# KiCad board rabbit_mask_video_edit.kicad_pcb (continued)
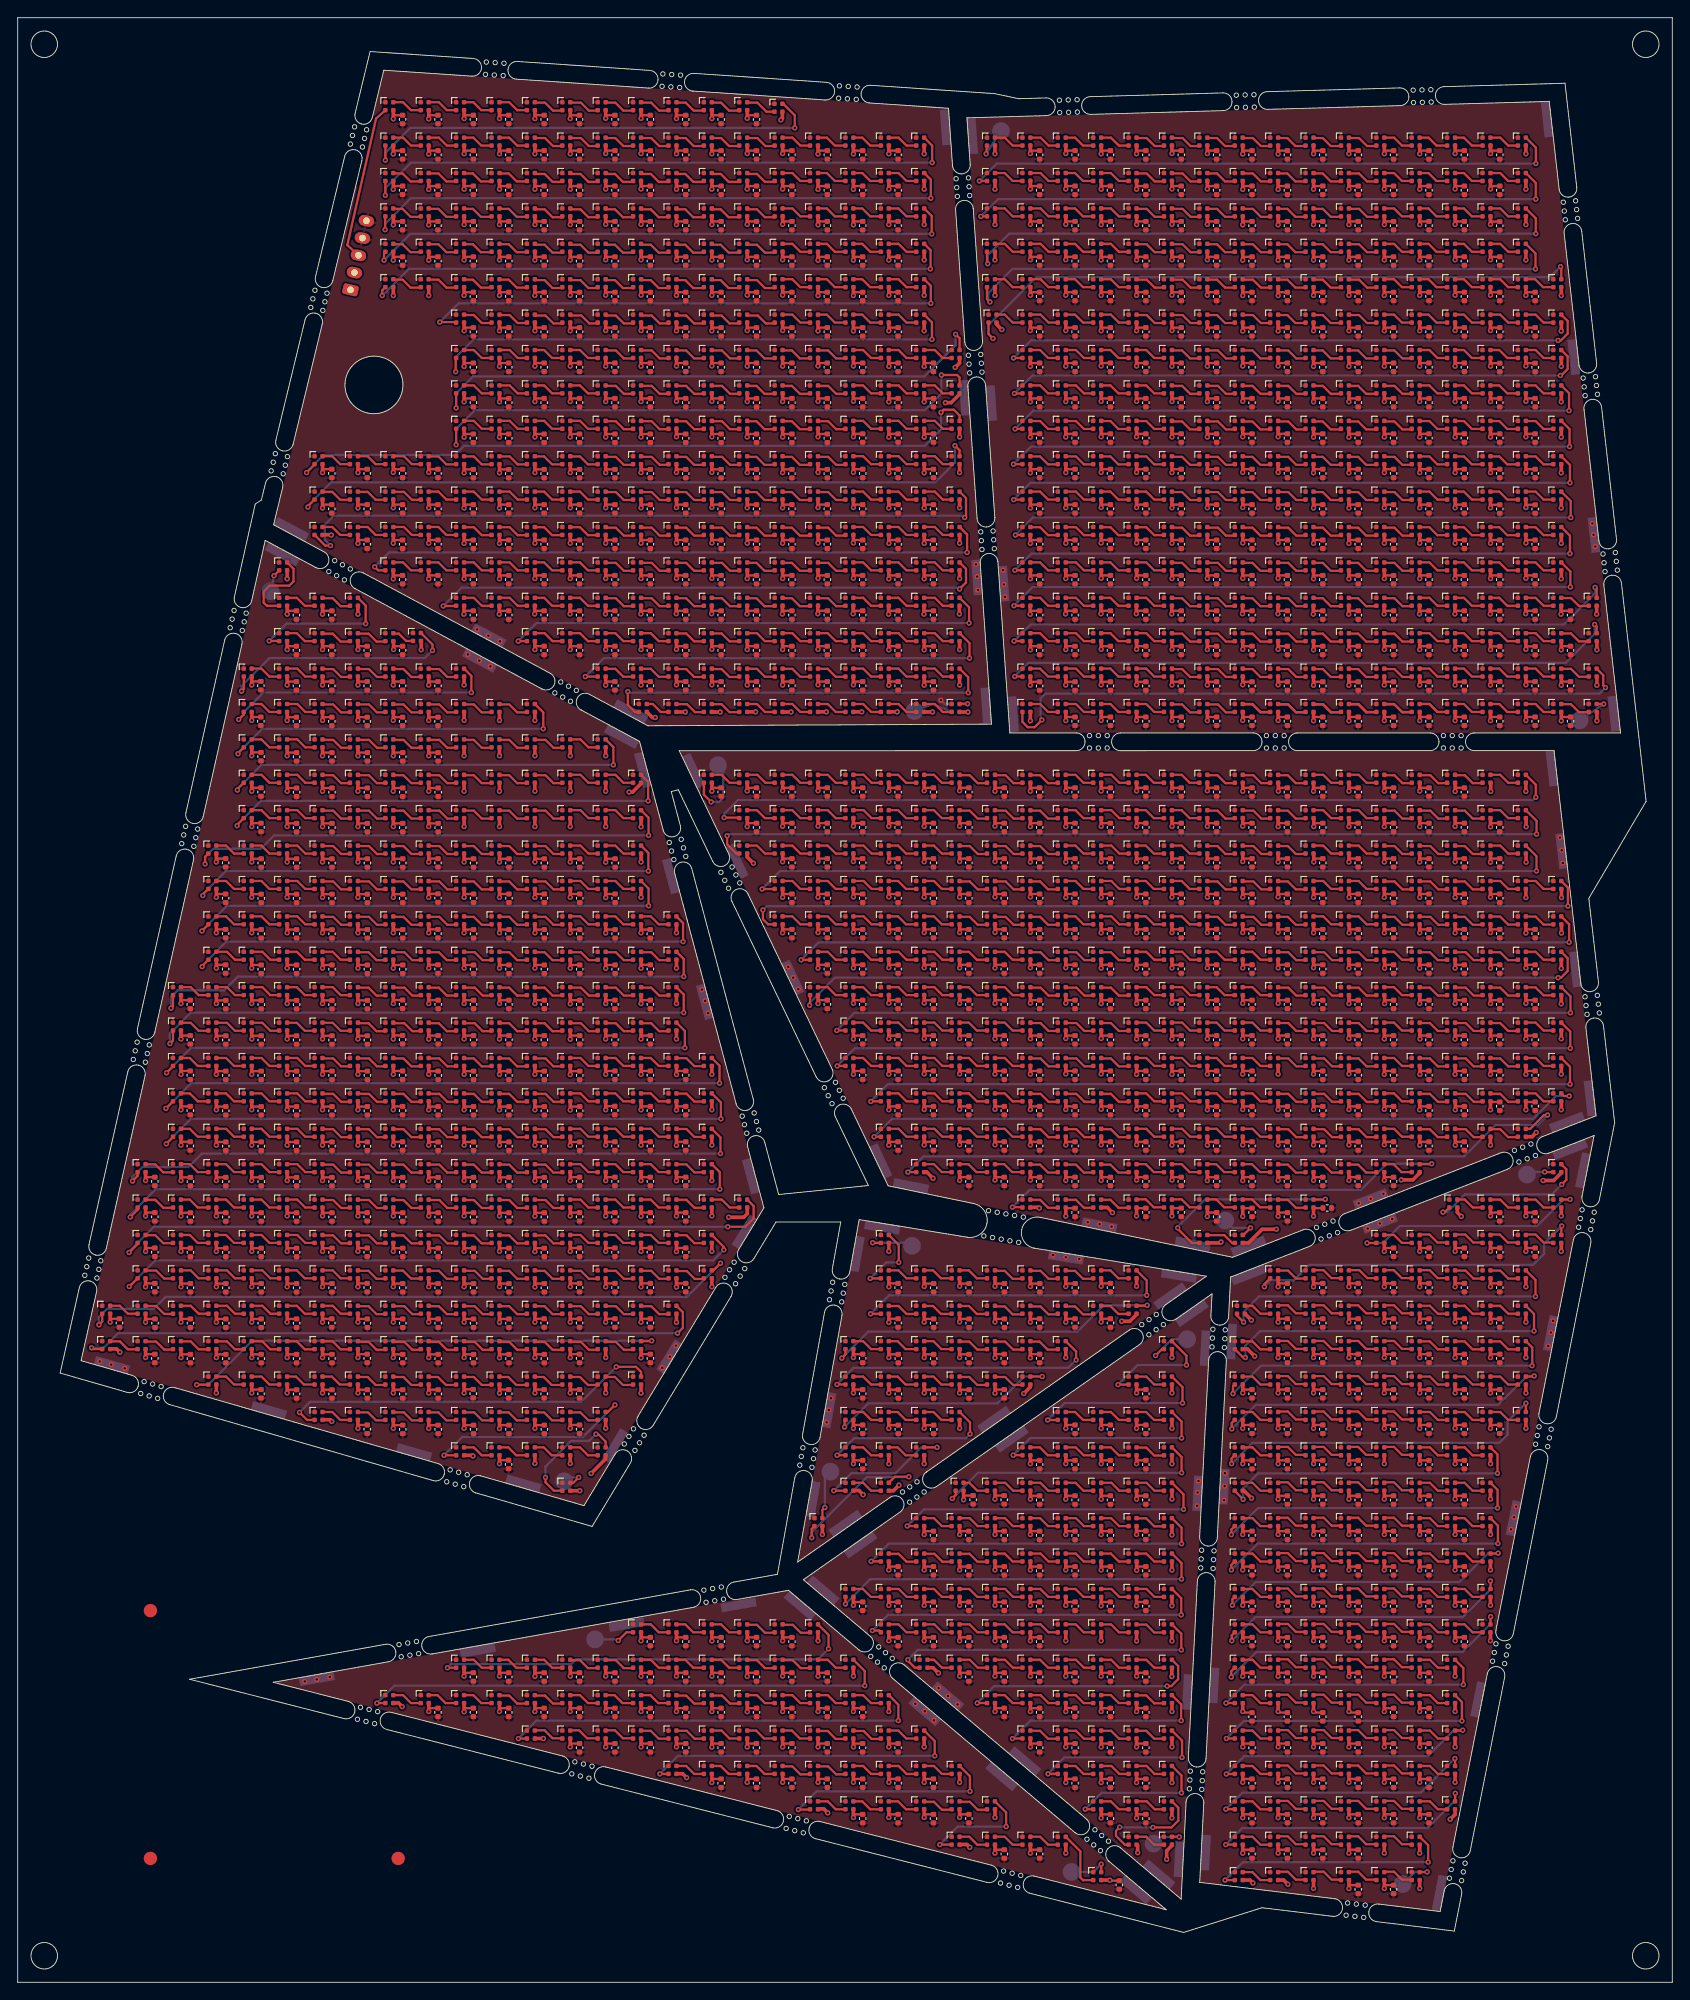
[diagram p0: board, top side]
## Placement (name value [footprint] x y rotation side) (continued)
C1485#305  0.1uF  [C_0402_1005Metric]  123.5 130.5 270 top
C1485#306  0.1uF  [C_0402_1005Metric]  135.5 170.5 270 top
C1485#307  0.1uF  [C_0402_1005Metric]  83.5 30.5 270 top
C1485#308  0.1uF  [C_0402_1005Metric]  111.52 78.48 270 top
C1485#309  0.1uF  [C_0402_1005Metric]  95.5 106.5 270 top
C1485#310  0.1uF  [C_0402_1005Metric]  59.52 90.48 270 top
C1485#311  0.1uF  [C_0402_1005Metric]  119.5 158.5 270 top
C1485#312  0.1uF  [C_0402_1005Metric]  67.5 90.5 270 top
C1485#313  0.1uF  [C_0402_1005Metric]  135.5 102.5 270 top
C1485#314  0.1uF  [C_0402_1005Metric]  19.5 94.5 270 top
C1485#315  0.1uF  [C_0402_1005Metric]  139.5 178.5 270 top
C1485#316  0.1uF  [C_0402_1005Metric]  43.5 194.5 270 top
C1485#317  0.1uF  [C_0402_1005Metric]  103.5 174.5 270 top
C1485#318  0.1uF  [C_0402_1005Metric]  103.5 166.5 270 top
C1485#319  0.1uF  [C_0402_1005Metric]  147.5 194.5 270 top
C1485#320  0.1uF  [C_0402_1005Metric]  75.5 166.5 270 top
C1485#321  0.1uF  [C_0402_1005Metric]  163.5 94.5 270 top
C1485#322  0.1uF  [C_0402_1005Metric]  67.5 182.5 270 top
C1485#323  0.1uF  [C_0402_1005Metric]  155.5 50.5 270 top
C1485#324  0.1uF  [C_0402_1005Metric]  47.5 202.5 270 top
C1485#325  0.1uF  [C_0402_1005Metric]  139.5 182.5 270 top
C1485#326  0.1uF  [C_0402_1005Metric]  143.5 122.5 270 top
C1485#327  0.1uF  [C_0402_1005Metric]  135.5 110.5 270 top
C1485#328  0.1uF  [C_0402_1005Metric]  59.52 114.48 270 top
C1485#329  0.1uF  [C_0402_1005Metric]  171.5 162.5 270 top
C1485#330  0.1uF  [C_0402_1005Metric]  79.5 38.5 270 top
C1485#331  0.1uF  [C_0402_1005Metric]  151.5 50.5 270 top
C1485#332  0.1uF  [C_0402_1005Metric]  155.5 26.5 270 top
C1485#333  0.1uF  [C_0402_1005Metric]  67.5 110.5 270 top
C1485#334  0.1uF  [C_0402_1005Metric]  79.5 186.5 270 top
C1485#335  0.1uF  [C_0402_1005Metric]  147.5 202.5 270 top
C1485#336  0.1uF  [C_0402_1005Metric]  63.5 170.48 270 top
C1485#337  0.1uF  [C_0402_1005Metric]  43.52 86.48 270 top
C1485#338  0.1uF  [C_0402_1005Metric]  123.5 106.5 270 top
C1485#339  0.1uF  [C_0402_1005Metric]  135.5 118.52 270 top
C1485#340  0.1uF  [C_0402_1005Metric]  59.52 102.48 270 top
C1485#341  0.1uF  [C_0402_1005Metric]  159.5 166.5 270 top
C1485#342  0.1uF  [C_0402_1005Metric]  167.5 74.5 270 top
C1485#343  0.1uF  [C_0402_1005Metric]  151.5 114.5 270 top
C1485#344  0.1uF  [C_0402_1005Metric]  143.5 38.5 270 top
C1485#345  0.1uF  [C_0402_1005Metric]  135.5 130.5 270 top
C1485#346  0.1uF  [C_0402_1005Metric]  147.5 166.5 270 top
C1485#347  0.1uF  [C_0402_1005Metric]  51.52 82.48 270 top
C1485#348  0.1uF  [C_0402_1005Metric]  151.5 170.5 270 top
C1485#349  0.1uF  [C_0402_1005Metric]  151.5 190.5 270 top
C1485#350  0.1uF  [C_0402_1005Metric]  95.5 162.5 270 top
C1485#351  0.1uF  [C_0402_1005Metric]  115.5 194.5 270 top
C1485#352  0.1uF  [C_0402_1005Metric]  143.5 174.5 270 top
C1485#353  0.1uF  [C_0402_1005Metric]  131.5 90.5 270 top
C1485#354  0.1uF  [C_0402_1005Metric]  147.5 90.5 270 top
C1485#355  0.1uF  [C_0402_1005Metric]  131.5 126.5 270 top
C1485#356  0.1uF  [C_0402_1005Metric]  139.5 122.5 270 top
C1485#357  0.1uF  [C_0402_1005Metric]  39.5 78.5 270 top
C1485#358  0.1uF  [C_0402_1005Metric]  127.5 106.5 270 top
C1485#359  0.1uF  [C_0402_1005Metric]  63.52 98.48 270 top
C1485#360  0.1uF  [C_0402_1005Metric]  147.5 98.5 270 top
C1485#361  0.1uF  [C_0402_1005Metric]  115.5 90.5 270 top
C1485#362  0.1uF  [C_0402_1005Metric]  15.5 70.5 270 top
C1485#363  0.1uF  [C_0402_1005Metric]  71.5 38.5 270 top
C1485#364  0.1uF  [C_0402_1005Metric]  143.5 178.5 270 top
C1485#365  0.1uF  [C_0402_1005Metric]  63.5 158.5 270 top
C1485#366  0.1uF  [C_0402_1005Metric]  151.5 102.5 270 top
C1485#367  0.1uF  [C_0402_1005Metric]  163.5 170.5 270 top
C1485#368  0.1uF  [C_0402_1005Metric]  159.5 102.5 270 top
C1485#369  0.1uF  [C_0402_1005Metric]  111.5 122.5 270 top
C1485#370  0.1uF  [C_0402_1005Metric]  87.5 146.5 270 top
C1485#371  0.1uF  [C_0402_1005Metric]  127.5 182.5 270 top
C1485#372  0.1uF  [C_0402_1005Metric]  159.5 150.5 270 top
C1485#373  0.1uF  [C_0402_1005Metric]  71.5 182.5 270 top
C1485#374  0.1uF  [C_0402_1005Metric]  139.5 98.5 270 top
C1485#375  0.1uF  [C_0402_1005Metric]  23.52 106.48 270 top
C1485#376  0.1uF  [C_0402_1005Metric]  115.5 190.5 270 top
C1485#377  0.1uF  [C_0402_1005Metric]  127.5 26.5 270 top
C1485#378  0.1uF  [C_0402_1005Metric]  155.5 146.48 270 top
C1485#379  0.1uF  [C_0402_1005Metric]  171.5 170.5 270 top
C1485#380  0.1uF  [C_0402_1005Metric]  171.5 174.5 270 top
C1485#381  0.1uF  [C_0402_1005Metric]  79.5 146.5 270 top
C1485#382  0.1uF  [C_0402_1005Metric]  31.5 146.5 270 top
C1485#383  0.1uF  [C_0402_1005Metric]  55.5 166.5 270 top
C1485#384  0.1uF  [C_0402_1005Metric]  159.5 106.5 270 top
C1485#385  0.1uF  [C_0402_1005Metric]  75.5 94.5 270 top
C1485#386  0.1uF  [C_0402_1005Metric]  155.5 162.5 270 top
C1485#387  0.1uF  [C_0402_1005Metric]  131.5 130.5 270 top
C1485#388  0.1uF  [C_0402_1005Metric]  131.5 198.5 270 top
C1485#389  0.1uF  [C_0402_1005Metric]  91.5 126.5 270 top
C1485#390  0.1uF  [C_0402_1005Metric]  39.52 74.48 270 top
C1485#391  0.1uF  [C_0402_1005Metric]  63.52 102.48 270 top
C1485#392  0.1uF  [C_0402_1005Metric]  119.5 162.5 270 top
C1485#393  0.1uF  [C_0402_1005Metric]  71.5 186.5 270 top
C1485#394  0.1uF  [C_0402_1005Metric]  127.5 42.5 270 top
C1485#395  0.1uF  [C_0402_1005Metric]  83.5 146.5 270 top
C1485#396  0.1uF  [C_0402_1005Metric]  91.5 190.5 270 top
C1485#397  0.1uF  [C_0402_1005Metric]  63.5 82.5 270 top
C1485#398  0.1uF  [C_0402_1005Metric]  151.5 62.5 270 top
C1485#399  0.1uF  [C_0402_1005Metric]  27.52 78.48 270 top
C1485#400  0.1uF  [C_0402_1005Metric]  115.5 42.5 270 top
C1485#401  0.1uF  [C_0402_1005Metric]  35.52 130.48 270 top
C1485#402  0.1uF  [C_0402_1005Metric]  47.52 106.5 270 top
C1485#403  0.1uF  [C_0402_1005Metric]  127.5 66.5 270 top
C1485#404  0.1uF  [C_0402_1005Metric]  63.5 186.5 270 top
C1485#405  0.1uF  [C_0402_1005Metric]  47.52 78.48 270 top
C1485#406  0.1uF  [C_0402_1005Metric]  123.5 206.5 270 top
C1485#407  0.1uF  [C_0402_1005Metric]  119.5 166.5 270 top
C1485#408  0.1uF  [C_0402_1005Metric]  147.5 146.48 270 top
C1485#409  0.1uF  [C_0402_1005Metric]  115.5 158.5 270 top
C1485#410  0.1uF  [C_0402_1005Metric]  163.5 42.5 270 top
C1485#411  0.1uF  [C_0402_1005Metric]  119.5 50.5 270 top
C1485#412  0.1uF  [C_0402_1005Metric]  115.5 118.5 270 top
C1485#413  0.1uF  [C_0402_1005Metric]  107.5 110.5 270 top
C1485#414  0.1uF  [C_0402_1005Metric]  47.52 74.48 270 top
C1485#415  0.1uF  [C_0402_1005Metric]  151.5 54.5 270 top
C1485#416  0.1uF  [C_0402_1005Metric]  79.5 134.5 270 top
C1485#417  0.1uF  [C_0402_1005Metric]  91.5 154.5 270 top
C1485#418  0.1uF  [C_0402_1005Metric]  27.52 102.48 270 top
C1485#419  0.1uF  [C_0402_1005Metric]  99.5 194.5 270 top
C1485#420  0.1uF  [C_0402_1005Metric]  55.52 78.48 270 top
C1485#421  0.1uF  [C_0402_1005Metric]  67.5 30.5 270 top
C1485#422  0.1uF  [C_0402_1005Metric]  151.5 18.5 270 top
C1485#423  0.1uF  [C_0402_1005Metric]  159.5 142.5 270 top
C1485#424  0.1uF  [C_0402_1005Metric]  95.5 42.5 270 top
C1485#425  0.1uF  [C_0402_1005Metric]  75.5 98.5 270 top
C1485#426  0.1uF  [C_0402_1005Metric]  79.5 154.5 270 top
C1485#427  0.1uF  [C_0402_1005Metric]  43.52 118.48 270 top
C1485#428  0.1uF  [C_0402_1005Metric]  124.5 11 270 top
C1485#429  0.1uF  [C_0402_1005Metric]  119.5 174.5 270 top
C1485#430  0.1uF  [C_0402_1005Metric]  163.5 46.5 270 top
C1485#431  0.1uF  [C_0402_1005Metric]  99.5 198.5 270 top
C1485#432  0.1uF  [C_0402_1005Metric]  163.5 58.5 270 top
C1485#433  0.1uF  [C_0402_1005Metric]  139.5 58.5 270 top
C1485#434  0.1uF  [C_0402_1005Metric]  159.5 118.5 270 top
C1485#435  0.1uF  [C_0402_1005Metric]  171.5 99 270 top
C1485#436  0.1uF  [C_0402_1005Metric]  99.5 170.5 270 top
C1485#437  0.1uF  [C_0402_1005Metric]  139.5 106.5 270 top
C1485#438  0.1uF  [C_0402_1005Metric]  159.5 26.5 270 top
C1485#439  0.1uF  [C_0402_1005Metric]  111.52 74.48 270 top
C1485#440  0.1uF  [C_0402_1005Metric]  123.5 98.5 270 top
C1485#441  0.1uF  [C_0402_1005Metric]  127.5 154.5 270 top
C1485#442  0.1uF  [C_0402_1005Metric]  39.52 102.48 270 top
C1485#443  0.1uF  [C_0402_1005Metric]  107.5 122.5 270 top
C1485#444  0.1uF  [C_0402_1005Metric]  99.5 102.5 270 top
C1485#445  0.1uF  [C_0402_1005Metric]  143.5 166.5 270 top
C1485#446  0.1uF  [C_0402_1005Metric]  75.5 194.5 270 top
C1485#447  0.1uF  [C_0402_1005Metric]  143.5 202.5 270 top
C1485#448  0.1uF  [C_0402_1005Metric]  139.5 66.5 270 top
C1485#449  0.1uF  [C_0402_1005Metric]  71.5 82.5 270 top
C1485#450  0.1uF  [C_0402_1005Metric]  127.5 90.5 270 top
C1485#451  0.1uF  [C_0402_1005Metric]  79.5 34.5 270 top
C1485#452  0.1uF  [C_0402_1005Metric]  159.5 158.5 270 top
C1485#453  0.1uF  [C_0402_1005Metric]  123.5 146.48 270 top
C1485#454  0.1uF  [C_0402_1005Metric]  131.5 170.5 270 top
C1485#455  0.1uF  [C_0402_1005Metric]  115.5 198.5 270 top
C1485#456  0.1uF  [C_0402_1005Metric]  67.5 190.5 270 top
C1485#457  0.1uF  [C_0402_1005Metric]  151.5 42.5 270 top
C1485#458  0.1uF  [C_0402_1005Metric]  99.5 178.5 270 top
C1485#459  0.1uF  [C_0402_1005Metric]  95.5 122.5 270 top
C1485#460  0.1uF  [C_0402_1005Metric]  67.48 98.52 270 top
C1485#461  0.1uF  [C_0402_1005Metric]  59.52 126.48 270 top
C1485#462  0.1uF  [C_0402_1005Metric]  159.5 126.5 270 top
C1485#463  0.1uF  [C_0402_1005Metric]  159.5 34.5 270 top
C1485#464  0.1uF  [C_0402_1005Metric]  123.5 94.5 270 top
C1485#465  0.1uF  [C_0402_1005Metric]  31.52 86.48 270 top
C1485#466  0.1uF  [C_0402_1005Metric]  167.5 158.5 270 top
C1485#467  0.1uF  [C_0402_1005Metric]  119.5 206.5 270 top
C1485#468  0.1uF  [C_0402_1005Metric]  119.5 34.5 270 top
C1485#469  0.1uF  [C_0402_1005Metric]  147.5 190.5 270 top
C1485#470  0.1uF  [C_0402_1005Metric]  151.5 46.5 270 top
C1485#471  0.1uF  [C_0402_1005Metric]  47.52 90.48 270 top
C1485#472  0.1uF  [C_0402_1005Metric]  83.5 162.5 270 top
C1485#473  0.1uF  [C_0402_1005Metric]  123.5 62.5 270 top
C1485#474  0.1uF  [C_0402_1005Metric]  151.5 178.5 270 top
C1485#475  0.1uF  [C_0402_1005Metric]  95.5 30.5 270 top
C1485#476  0.1uF  [C_0402_1005Metric]  51.52 126.48 270 top
C1485#477  0.1uF  [C_0402_1005Metric]  59.52 62.48 270 top
C1485#478  0.1uF  [C_0402_1005Metric]  43.5 110.52 270 top
C1485#479  0.1uF  [C_0402_1005Metric]  75.5 34.5 270 top
C1485#480  0.1uF  [C_0402_1005Metric]  131.5 87 270 top
C1485#481  0.1uF  [C_0402_1005Metric]  155.5 78.5 270 top
C1485#482  0.1uF  [C_0402_1005Metric]  99.5 158.5 270 top
C1485#483  0.1uF  [C_0402_1005Metric]  43.52 90.48 270 top
C1485#484  0.1uF  [C_0402_1005Metric]  123.5 34.5 270 top
C1485#485  0.1uF  [C_0402_1005Metric]  171.5 118.5 270 top
C1485#486  0.1uF  [C_0402_1005Metric]  95.5 66.5 270 top
C1485#487  0.1uF  [C_0402_1005Metric]  131.5 114.5 270 top
C1485#488  0.1uF  [C_0402_1005Metric]  143.5 54.5 270 top
C1485#489  0.1uF  [C_0402_1005Metric]  87.5 170.48 270 top
C1485#490  0.1uF  [C_0402_1005Metric]  111.5 14.5 270 top
C1485#491  0.1uF  [C_0402_1005Metric]  163.5 106.5 270 top
C1485#492  0.1uF  [C_0402_1005Metric]  55.5 186.5 270 top
C1485#493  0.1uF  [C_0402_1005Metric]  103.5 114.5 270 top
C1485#494  0.1uF  [C_0402_1005Metric]  59.5 170.48 270 top
C1485#495  0.1uF  [C_0402_1005Metric]  63.5 178.5 270 top
C1485#496  0.1uF  [C_0402_1005Metric]  111.5 46.5 270 top
C1485#497  0.1uF  [C_0402_1005Metric]  151.5 186.5 270 top
C1485#498  0.1uF  [C_0402_1005Metric]  51.48 66.52 270 top
C1485#499  0.1uF  [C_0402_1005Metric]  55.5 34.5 270 top
C1485#500  0.1uF  [C_0402_1005Metric]  51.5 178.5 270 top
C1485#501  0.1uF  [C_0402_1005Metric]  107.52 70.48 270 top
C1485#502  0.1uF  [C_0402_1005Metric]  147.5 134.5 270 top
C1485#503  0.1uF  [C_0402_1005Metric]  55.5 182.5 270 top
C1485#504  0.1uF  [C_0402_1005Metric]  55.52 94.48 270 top
C1485#505  0.1uF  [C_0402_1005Metric]  75.5 162.5 270 top
C1485#506  0.1uF  [C_0402_1005Metric]  35.52 126.48 270 top
C1485#507  0.1uF  [C_0402_1005Metric]  35.52 122.48 270 top
C1485#508  0.1uF  [C_0402_1005Metric]  151.5 110.5 270 top
C1485#509  0.1uF  [C_0402_1005Metric]  131.5 186.5 270 top
C1485#510  0.1uF  [C_0402_1005Metric]  63.52 122.5 270 top
C1485#511  0.1uF  [C_0402_1005Metric]  47.5 146.5 270 top
C1485#512  0.1uF  [C_0402_1005Metric]  147.5 38.5 270 top
C1485#513  0.1uF  [C_0402_1005Metric]  23.52 86.48 270 top
C1485#514  0.1uF  [C_0402_1005Metric]  43.5 150.5 270 top
C1485#515  0.1uF  [C_0402_1005Metric]  83.5 150.5 270 top
C1485#516  0.1uF  [C_0402_1005Metric]  159.5 206.5 270 top
C1485#517  0.1uF  [C_0402_1005Metric]  27.52 118.48 270 top
C1485#518  0.1uF  [C_0402_1005Metric]  51.52 90.48 270 top
C1485#519  0.1uF  [C_0402_1005Metric]  83.5 194.5 270 top
C1485#520  0.1uF  [C_0402_1005Metric]  163.5 110.5 270 top
C1485#521  0.1uF  [C_0402_1005Metric]  119.5 130.5 270 top
C1485#522  0.1uF  [C_0402_1005Metric]  107.5 134.5 270 top
C1485#523  0.1uF  [C_0402_1005Metric]  139.5 162.5 270 top
C1485#524  0.1uF  [C_0402_1005Metric]  135.5 158.5 270 top
C1485#525  0.1uF  [C_0402_1005Metric]  71.5 154.5 270 top
C1485#526  0.1uF  [C_0402_1005Metric]  127.5 142.5 270 top
C1485#527  0.1uF  [C_0402_1005Metric]  55.5 30.5 270 top
C1485#528  0.1uF  [C_0402_1005Metric]  171.5 142.5 270 top
C1485#529  0.1uF  [C_0402_1005Metric]  119.5 146.48 270 top
C1485#530  0.1uF  [C_0402_1005Metric]  71.5 158.5 270 top
C1485#531  0.1uF  [C_0402_1005Metric]  95.5 110.5 270 top
C1485#532  0.1uF  [C_0402_1005Metric]  99.5 190.5 270 top
C1485#533  0.1uF  [C_0402_1005Metric]  75.5 102.5 270 top
C1485#534  0.1uF  [C_0402_1005Metric]  19.5 98.5 270 top
C1485#535  0.1uF  [C_0402_1005Metric]  163.5 174.5 270 top
C1485#536  0.1uF  [C_0402_1005Metric]  119.5 194.5 270 top
C1485#537  0.1uF  [C_0402_1005Metric]  139.5 114.5 270 top
C1485#538  0.1uF  [C_0402_1005Metric]  51.52 74.48 270 top
C1485#539  0.1uF  [C_0402_1005Metric]  123.5 202.5 270 top
C1485#540  0.1uF  [C_0402_1005Metric]  119.5 62.5 270 top
C1485#541  0.1uF  [C_0402_1005Metric]  147.5 62.5 270 top
C1485#542  0.1uF  [C_0402_1005Metric]  83.49 26.5 270 top
C1485#543  0.1uF  [C_0402_1005Metric]  151.5 154.5 270 top
C1485#544  0.1uF  [C_0402_1005Metric]  167.5 102.5 270 top
C1485#545  0.1uF  [C_0402_1005Metric]  71.5 30.5 270 top
C1485#546  0.1uF  [C_0402_1005Metric]  163.5 118.5 270 top
C1485#547  0.1uF  [C_0402_1005Metric]  71.5 162.5 270 top
C1485#548  0.1uF  [C_0402_1005Metric]  87.5 202.5 270 top
C1485#549  0.1uF  [C_0402_1005Metric]  87.5 26.5 270 top
C1485#550  0.1uF  [C_0402_1005Metric]  159.5 98.5 270 top
C1485#551  0.1uF  [C_0402_1005Metric]  91.5 162.5 270 top
C1485#552  0.1uF  [C_0402_1005Metric]  55.5 178.5 270 top
C1485#553  0.1uF  [C_0402_1005Metric]  131.5 190.5 270 top
C1485#554  0.1uF  [C_0402_1005Metric]  99.52 62.48 270 top
C1485#555  0.1uF  [C_0402_1005Metric]  67.52 118.48 270 top
C1485#556  0.1uF  [C_0402_1005Metric]  111.5 110.5 270 top
C1485#557  0.1uF  [C_0402_1005Metric]  111.5 50.5 270 top
C1485#558  0.1uF  [C_0402_1005Metric]  151.5 58.5 270 top
C1485#559  0.1uF  [C_0402_1005Metric]  159.5 22.5 270 top
C1485#560  0.1uF  [C_0402_1005Metric]  135.5 142.5 270 top
C1485#561  0.1uF  [C_0402_1005Metric]  111.5 42.5 270 top
C1485#562  0.1uF  [C_0402_1005Metric]  43.52 114.48 270 top
C1485#563  0.1uF  [C_0402_1005Metric]  95.5 22.5 270 top
C1485#564  0.1uF  [C_0402_1005Metric]  75.5 186.5 270 top
C1485#565  0.1uF  [C_0402_1005Metric]  163.5 62.5 270 top
C1485#566  0.1uF  [C_0402_1005Metric]  83.5 174.48 270 top
C1485#567  0.1uF  [C_0402_1005Metric]  59.52 118.48 270 top
C1485#568  0.1uF  [C_0402_1005Metric]  99.5 26.5 270 top
C1485#569  0.1uF  [C_0402_1005Metric]  39.52 66.48 270 top
C1485#570  0.1uF  [C_0402_1005Metric]  27.5 138.5 270 top
C1485#571  0.1uF  [C_0402_1005Metric]  59.5 174.48 270 top
C1485#572  0.1uF  [C_0402_1005Metric]  31.52 130.48 270 top
C1485#573  0.1uF  [C_0402_1005Metric]  43.5 206.5 270 top
C1485#574  0.1uF  [C_0402_1005Metric]  103.5 22.5 270 top
C1485#575  0.1uF  [C_0402_1005Metric]  119.5 114.5 270 top
C1485#576  0.1uF  [C_0402_1005Metric]  51.5 154.5 270 top
C1485#577  0.1uF  [C_0402_1005Metric]  115.5 94.5 270 top
C1485#578  0.1uF  [C_0402_1005Metric]  99.5 162.5 270 top
C1485#579  0.1uF  [C_0402_1005Metric]  155.5 62.5 270 top
C1485#580  0.1uF  [C_0402_1005Metric]  95.49 26.5 270 top
C1485#581  0.1uF  [C_0402_1005Metric]  67.5 26.5 270 top
C1485#582  0.1uF  [C_0402_1005Metric]  55.52 90.48 270 top
C1485#583  0.1uF  [C_0402_1005Metric]  87.5 206.5 270 top
C1485#584  0.1uF  [C_0402_1005Metric]  79.5 194.5 270 top
C1485#585  0.1uF  [C_0402_1005Metric]  163.5 162.5 270 top
C1485#586  0.1uF  [C_0402_1005Metric]  83.5 198.5 270 top
C1485#587  0.1uF  [C_0402_1005Metric]  75.5 182.5 270 top
C1485#588  0.1uF  [C_0402_1005Metric]  127.5 30.5 270 top
C1485#589  0.1uF  [C_0402_1005Metric]  155.5 114.5 270 top
C1485#590  0.1uF  [C_0402_1005Metric]  47.5 170.5 270 top
C1485#591  0.1uF  [C_0402_1005Metric]  155.5 166.5 270 top
C1485#592  0.1uF  [C_0402_1005Metric]  51.5 182.5 270 top
C1485#593  0.1uF  [C_0402_1005Metric]  71.5 150.5 270 top
C1485#594  0.1uF  [C_0402_1005Metric]  99.5 166.5 270 top
C1485#595  0.1uF  [C_0402_1005Metric]  103.5 50.5 270 top
C1485#596  0.1uF  [C_0402_1005Metric]  163.5 74.5 270 top
C1485#597  0.1uF  [C_0402_1005Metric]  115.5 170.5 270 top
C1485#598  0.1uF  [C_0402_1005Metric]  27.52 122.48 270 top
C1485#599  0.1uF  [C_0402_1005Metric]  51.5 194.5 270 top
C1485#600  0.1uF  [C_0402_1005Metric]  79.5 158.5 270 top
C1485#601  0.1uF  [C_0402_1005Metric]  159.5 162.5 270 top
C1485#602  0.1uF  [C_0402_1005Metric]  103.5 102.5 270 top
C1485#603  0.1uF  [C_0402_1005Metric]  159.5 82.5 270 top
C1485#604  0.1uF  [C_0402_1005Metric]  171.5 86.5 270 top
C1485#605  0.1uF  [C_0402_1005Metric]  135.5 106.5 270 top
C1485#606  0.1uF  [C_0402_1005Metric]  171.5 186.5 270 top
C1485#607  0.1uF  [C_0402_1005Metric]  51.52 94.48 270 top
C1485#608  0.1uF  [C_0402_1005Metric]  155.5 118.5 270 top
C1485#609  0.1uF  [C_0402_1005Metric]  47.52 70.48 270 top
C1485#610  0.1uF  [C_0402_1005Metric]  167.5 146.5 270 top
C1485#611  0.1uF  [C_0402_1005Metric]  27.52 94.48 270 top
C1485#612  0.1uF  [C_0402_1005Metric]  119.5 142.5 270 top
C1485#613  0.1uF  [C_0402_1005Metric]  147.5 14.5 270 top
C1485#614  0.1uF  [C_0402_1005Metric]  67.5 198.5 270 top
C1485#615  0.1uF  [C_0402_1005Metric]  47.5 206.5 270 top
C1485#616  0.1uF  [C_0402_1005Metric]  59.5 198.5 270 top
C1485#617  0.1uF  [C_0402_1005Metric]  95.5 198.5 270 top
C1485#618  0.1uF  [C_0402_1005Metric]  163.5 66.5 270 top
C1485#619  0.1uF  [C_0402_1005Metric]  115.5 146.48 270 top
C1485#620  0.1uF  [C_0402_1005Metric]  55.52 86.48 270 top
C1485#621  0.1uF  [C_0402_1005Metric]  131.5 94.5 270 top
C1485#622  0.1uF  [C_0402_1005Metric]  115.5 122.5 270 top
C1485#623  0.1uF  [C_0402_1005Metric]  147.5 130.5 270 top
C1485#624  0.1uF  [C_0402_1005Metric]  119.5 87 270 top
C1485#625  0.1uF  [C_0402_1005Metric]  103.5 18.5 270 top
C1485#626  0.1uF  [C_0402_1005Metric]  71.5 202.5 270 top
C1485#627  0.1uF  [C_0402_1005Metric]  63.52 118.48 270 top
C1485#628  0.1uF  [C_0402_1005Metric]  123.5 154.5 270 top
C1485#629  0.1uF  [C_0402_1005Metric]  155.5 202.5 270 top
C1485#630  0.1uF  [C_0402_1005Metric]  95.5 70.5 270 top
C1485#631  0.1uF  [C_0402_1005Metric]  155.5 102.5 270 top
C1485#632  0.1uF  [C_0402_1005Metric]  159.5 190.5 270 top
C1485#633  0.1uF  [C_0402_1005Metric]  171.5 182.48 270 top
C1485#634  0.1uF  [C_0402_1005Metric]  119.5 54.5 270 top
C1485#635  0.1uF  [C_0402_1005Metric]  59.52 110.5 270 top
C1485#636  0.1uF  [C_0402_1005Metric]  155.5 38.5 270 top
C1485#637  0.1uF  [C_0402_1005Metric]  167.5 70.5 270 top
C1485#638  0.1uF  [C_0402_1005Metric]  107.5 46.5 270 top
C1485#639  0.1uF  [C_0402_1005Metric]  63.5 182.5 270 top
C1485#640  0.1uF  [C_0402_1005Metric]  119.5 150.5 270 top
C1485#641  0.1uF  [C_0402_1005Metric]  43.5 146.5 270 top
C1485#642  0.1uF  [C_0402_1005Metric]  163.5 78.5 270 top
C1485#643  0.1uF  [C_0402_1005Metric]  39.52 130.48 270 top
C1485#644  0.1uF  [C_0402_1005Metric]  55.52 110.5 270 top
C1485#645  0.1uF  [C_0402_1005Metric]  111.5 134.5 270 top
C1485#646  0.1uF  [C_0402_1005Metric]  59.5 162.5 270 top
C1485#647  0.1uF  [C_0402_1005Metric]  47.5 194.5 270 top
C1485#648  0.1uF  [C_0402_1005Metric]  167.5 182.48 270 top
C1485#649  0.1uF  [C_0402_1005Metric]  75.5 38.5 270 top
C1485#650  0.1uF  [C_0402_1005Metric]  79.5 170.48 270 top
C1485#651  0.1uF  [C_0402_1005Metric]  99.5 38.5 270 top
C1485#652  0.1uF  [C_0402_1005Metric]  135.5 186.5 270 top
C1485#653  0.1uF  [C_0402_1005Metric]  103.5 130.5 270 top
C1485#654  0.1uF  [C_0402_1005Metric]  143.5 142.5 270 top
C1485#655  0.1uF  [C_0402_1005Metric]  63.5 26.5 270 top
C1485#656  0.1uF  [C_0402_1005Metric]  51.5 166.5 270 top
C1485#657  0.1uF  [C_0402_1005Metric]  95.5 114.5 270 top
C1485#658  0.1uF  [C_0402_1005Metric]  123.5 74.5 270 top
C1485#659  0.1uF  [C_0402_1005Metric]  131.5 122.5 270 top
C1485#660  0.1uF  [C_0402_1005Metric]  111.49 54.52 270 top
C1485#661  0.1uF  [C_0402_1005Metric]  159.5 66.5 270 top
C1485#662  0.1uF  [C_0402_1005Metric]  107.5 98.5 270 top
C1485#663  0.1uF  [C_0402_1005Metric]  75.5 26.5 270 top
C1485#664  0.1uF  [C_0402_1005Metric]  67.5 102.5 270 top
C1485#665  0.1uF  [C_0402_1005Metric]  139.5 150.5 270 top
C1485#666  0.1uF  [C_0402_1005Metric]  15.5 82.5 270 top
C1485#667  0.1uF  [C_0402_1005Metric]  79.5 206.5 270 top
C1485#668  0.1uF  [C_0402_1005Metric]  163.5 198.5 270 top
C1485#669  0.1uF  [C_0402_1005Metric]  159.5 50.5 270 top
C1485#670  0.1uF  [C_0402_1005Metric]  155.5 82.5 270 top
C1485#671  0.1uF  [C_0402_1005Metric]  95.5 174.5 270 top
C1485#672  0.1uF  [C_0402_1005Metric]  35.5 154.5 270 top
C1485#673  0.1uF  [C_0402_1005Metric]  139.5 198.5 270 top
C1485#674  0.1uF  [C_0402_1005Metric]  163.5 82.5 270 top
C1485#675  0.1uF  [C_0402_1005Metric]  143.5 126.5 270 top
C1485#676  0.1uF  [C_0402_1005Metric]  47.5 166.5 270 top
C1485#677  0.1uF  [C_0402_1005Metric]  39.52 98.48 270 top
C1485#678  0.1uF  [C_0402_1005Metric]  31.52 106.48 270 top
C1485#679  0.1uF  [C_0402_1005Metric]  91.5 186.5 270 top
C1485#680  0.1uF  [C_0402_1005Metric]  51.52 118.48 270 top
C1485#681  0.1uF  [C_0402_1005Metric]  123.5 198.5 270 top
C1485#682  0.1uF  [C_0402_1005Metric]  75.5 146.5 270 top
C1485#683  0.1uF  [C_0402_1005Metric]  123.5 114.5 270 top
C1485#684  0.1uF  [C_0402_1005Metric]  111.5 38.5 270 top
C1485#685  0.1uF  [C_0402_1005Metric]  43.5 166.5 270 top
C1485#686  0.1uF  [C_0402_1005Metric]  115.5 58.5 270 top
C1485#687  0.1uF  [C_0402_1005Metric]  139.5 166.5 270 top
C1485#688  0.1uF  [C_0402_1005Metric]  47.5 158.5 270 top
C1485#689  0.1uF  [C_0402_1005Metric]  99.5 174.5 270 top
C1485#690  0.1uF  [C_0402_1005Metric]  75.5 158.5 270 top
C1485#691  0.1uF  [C_0402_1005Metric]  115.5 154.5 270 top
C1485#692  0.1uF  [C_0402_1005Metric]  91.5 206.5 270 top
C1485#693  0.1uF  [C_0402_1005Metric]  143.5 66.5 270 top
C1485#694  0.1uF  [C_0402_1005Metric]  167.5 106.5 270 top
C1485#695  0.1uF  [C_0402_1005Metric]  151.5 126.5 270 top
C1485#696  0.1uF  [C_0402_1005Metric]  159.5 62.5 270 top
C1485#697  0.1uF  [C_0402_1005Metric]  91.5 182.5 270 top
C1485#698  0.1uF  [C_0402_1005Metric]  63.5 198.5 270 top
C1485#699  0.1uF  [C_0402_1005Metric]  71.5 114.5 270 top
C1485#700  0.1uF  [C_0402_1005Metric]  119.5 202.5 270 top
C1485#701  0.1uF  [C_0402_1005Metric]  119.5 90.5 270 top
C1485#702  0.1uF  [C_0402_1005Metric]  103.5 182.5 270 top
C1485#703  0.1uF  [C_0402_1005Metric]  151.5 134.5 270 top
C1485#704  0.1uF  [C_0402_1005Metric]  47.5 30.5 270 top
C1485#705  0.1uF  [C_0402_1005Metric]  139.5 90.5 270 top
C1485#706  0.1uF  [C_0402_1005Metric]  139.5 134.5 270 top
C1485#707  0.1uF  [C_0402_1005Metric]  79.5 182.5 270 top
C1485#708  0.1uF  [C_0402_1005Metric]  143.5 190.5 270 top
C1485#709  0.1uF  [C_0402_1005Metric]  175.5 154.5 270 top
C1485#710  0.1uF  [C_0402_1005Metric]  147.5 114.5 270 top
C1485#711  0.1uF  [C_0402_1005Metric]  51.5 210.5 270 top
C1485#712  0.1uF  [C_0402_1005Metric]  147.5 186.5 270 top
C1485#713  0.1uF  [C_0402_1005Metric]  139.5 202.5 270 top
C1485#714  0.1uF  [C_0402_1005Metric]  143.5 58.5 270 top
C1485#715  0.1uF  [C_0402_1005Metric]  155.5 90.5 270 top
C1485#716  0.1uF  [C_0402_1005Metric]  51.5 186.5 270 top
C1485#717  0.1uF  [C_0402_1005Metric]  31.52 138.48 270 top
C1485#718  0.1uF  [C_0402_1005Metric]  51.5 174.48 270 top
C1485#719  0.1uF  [C_0402_1005Metric]  55.52 74.48 270 top
C1485#720  0.1uF  [C_0402_1005Metric]  103.5 46.5 270 top
C1485#721  0.1uF  [C_0402_1005Metric]  151.5 158.5 270 top
C1485#722  0.1uF  [C_0402_1005Metric]  55.52 70.48 270 top
C1485#723  0.1uF  [C_0402_1005Metric]  35.5 170.5 270 top
C1485#724  0.1uF  [C_0402_1005Metric]  135.5 206.5 270 top
C1485#725  0.1uF  [C_0402_1005Metric]  111.5 90.5 270 top
C1485#726  0.1uF  [C_0402_1005Metric]  127.5 150.5 270 top
C1485#727  0.1uF  [C_0402_1005Metric]  43.52 62.48 270 top
C1485#728  0.1uF  [C_0402_1005Metric]  63.52 94.48 270 top
C1485#729  0.1uF  [C_0402_1005Metric]  39.5 162.5 270 top
C1485#730  0.1uF  [C_0402_1005Metric]  135.5 94.5 270 top
C1485#731  0.1uF  [C_0402_1005Metric]  103.5 38.5 270 top
C1485#732  0.1uF  [C_0402_1005Metric]  155.5 10.5 270 top
C1485#733  0.1uF  [C_0402_1005Metric]  103.5 150.5 270 top
C1485#734  0.1uF  [C_0402_1005Metric]  79.5 150.5 270 top
C1485#735  0.1uF  [C_0402_1005Metric]  67.5 146.5 270 top
C1485#736  0.1uF  [C_0402_1005Metric]  111.5 114.5 270 top
C1485#737  0.1uF  [C_0402_1005Metric]  91.5 26.5 270 top
C1485#738  0.1uF  [C_0402_1005Metric]  51.52 102.48 270 top
C1485#739  0.1uF  [C_0402_1005Metric]  75.5 78.5 270 top
C1485#740  0.1uF  [C_0402_1005Metric]  131.5 106.5 270 top
C1485#741  0.1uF  [C_0402_1005Metric]  71.5 78.5 270 top
C1485#742  0.1uF  [C_0402_1005Metric]  67.5 78.5 270 top
C1485#743  0.1uF  [C_0402_1005Metric]  151.5 38.5 270 top
C1485#744  0.1uF  [C_0402_1005Metric]  167.5 166.48 270 top
C1485#745  0.1uF  [C_0402_1005Metric]  127.5 58.5 270 top
C1485#746  0.1uF  [C_0402_1005Metric]  139.5 186.5 270 top
C1485#747  0.1uF  [C_0402_1005Metric]  151.5 182.5 270 top
C1485#748  0.1uF  [C_0402_1005Metric]  115.5 162.5 270 top
C1485#749  0.1uF  [C_0402_1005Metric]  43.5 202.5 270 top
C1485#750  0.1uF  [C_0402_1005Metric]  135.5 126.5 270 top
C1485#751  0.1uF  [C_0402_1005Metric]  59.52 94.48 270 top
C1485#752  0.1uF  [C_0402_1005Metric]  139.5 110.5 270 top
C1485#753  0.1uF  [C_0402_1005Metric]  135.5 178.5 270 top
C1485#754  0.1uF  [C_0402_1005Metric]  139.5 190.5 270 top
C1485#755  0.1uF  [C_0402_1005Metric]  95.5 150.5 270 top
C1485#756  0.1uF  [C_0402_1005Metric]  139.5 18.5 270 top
C1485#757  0.1uF  [C_0402_1005Metric]  171.5 166.48 270 top
C1485#758  0.1uF  [C_0402_1005Metric]  119.5 182.5 270 top
C1485#759  0.1uF  [C_0402_1005Metric]  87.5 30.5 270 top
C1485#760  0.1uF  [C_0402_1005Metric]  127.5 134.5 270 top
C1485#761  0.1uF  [C_0402_1005Metric]  51.52 98.48 270 top
C1485#762  0.1uF  [C_0402_1005Metric]  11.5 74.5 270 top
C1485#763  0.1uF  [C_0402_1005Metric]  155.5 126.5 270 top
C1485#764  0.1uF  [C_0402_1005Metric]  143.5 46.5 270 top
C1485#765  0.1uF  [C_0402_1005Metric]  147.5 142.5 270 top
C1485#766  0.1uF  [C_0402_1005Metric]  51.5 162.5 270 top
C1485#767  0.1uF  [C_0402_1005Metric]  143.5 194.5 270 top
C1485#768  0.1uF  [C_0402_1005Metric]  31.52 102.48 270 top
C1485#769  0.1uF  [C_0402_1005Metric]  119.5 154.5 270 top
C1485#770  0.1uF  [C_0402_1005Metric]  131.5 194.5 270 top
C1485#771  0.1uF  [C_0402_1005Metric]  91.5 158.5 270 top
C1485#772  0.1uF  [C_0402_1005Metric]  135.5 122.5 270 top
C1485#773  0.1uF  [C_0402_1005Metric]  63.5 78.5 270 top
C1485#774  0.1uF  [C_0402_1005Metric]  91.5 122.5 270 top
C1485#775  0.1uF  [C_0402_1005Metric]  139.5 206.5 270 top
C1485#776  0.1uF  [C_0402_1005Metric]  159.5 30.5 270 top
C1485#777  0.1uF  [C_0402_1005Metric]  35.5 142.48 270 top
C1485#778  0.1uF  [C_0402_1005Metric]  103.52 66.48 270 top
C1485#779  0.1uF  [C_0402_1005Metric]  23.52 78.48 270 top
C1485#780  0.1uF  [C_0402_1005Metric]  75.5 82.5 270 top
C1485#781  0.1uF  [C_0402_1005Metric]  59.5 158.5 270 top
C1485#782  0.1uF  [C_0402_1005Metric]  143.5 86.5 270 top
C1485#783  0.1uF  [C_0402_1005Metric]  103.5 106.5 270 top
C1485#784  0.1uF  [C_0402_1005Metric]  71.5 190.5 270 top
C1485#785  0.1uF  [C_0402_1005Metric]  107.5 90.5 270 top
C1485#786  0.1uF  [C_0402_1005Metric]  167.5 142.5 270 top
C1485#787  0.1uF  [C_0402_1005Metric]  27.52 74.48 270 top
C1485#788  0.1uF  [C_0402_1005Metric]  151.5 78.5 270 top
C1485#789  0.1uF  [C_0402_1005Metric]  43.5 198.5 270 top
C1485#790  0.1uF  [C_0402_1005Metric]  71.5 210.5 270 top
C1485#791  0.1uF  [C_0402_1005Metric]  155.5 30.5 270 top
C1485#792  0.1uF  [C_0402_1005Metric]  59.5 166.5 270 top
C1485#793  0.1uF  [C_0402_1005Metric]  43.5 102.5 270 top
C1485#794  0.1uF  [C_0402_1005Metric]  135.5 190.5 270 top
C1485#795  0.1uF  [C_0402_1005Metric]  43.52 134.48 270 top
C1485#796  0.1uF  [C_0402_1005Metric]  143.5 26.5 270 top
C1485#797  0.1uF  [C_0402_1005Metric]  83.5 158.5 270 top
C1485#798  0.1uF  [C_0402_1005Metric]  119.5 110.5 270 top
C1485#799  0.1uF  [C_0402_1005Metric]  135.5 90.5 270 top
C1485#800  0.1uF  [C_0402_1005Metric]  155.5 34.5 270 top
C1485#801  0.1uF  [C_0402_1005Metric]  163.5 102.5 270 top
C1485#802  0.1uF  [C_0402_1005Metric]  139.5 50.5 270 top
C1485#803  0.1uF  [C_0402_1005Metric]  71.5 74.5 270 top
C1485#804  0.1uF  [C_0402_1005Metric]  31.52 70.48 270 top
C1485#805  0.1uF  [C_0402_1005Metric]  155.5 206.5 270 top
C1485#806  0.1uF  [C_0402_1005Metric]  127.5 122.5 270 top
C1485#807  0.1uF  [C_0402_1005Metric]  51.5 30.5 270 top
C1485#808  0.1uF  [C_0402_1005Metric]  47.5 126.5 270 top
C1485#809  0.1uF  [C_0402_1005Metric]  83.5 134.5 270 top
C1485#810  0.1uF  [C_0402_1005Metric]  27.52 110.48 270 top
C1485#811  0.1uF  [C_0402_1005Metric]  55.5 170.48 270 top
C1485#812  0.1uF  [C_0402_1005Metric]  67.5 206.5 270 top
C1485#813  0.1uF  [C_0402_1005Metric]  67.5 178.5 270 top
C1485#814  0.1uF  [C_0402_1005Metric]  91.5 178.5 270 top
C1485#815  0.1uF  [C_0402_1005Metric]  139.5 146.48 270 top
C1485#816  0.1uF  [C_0402_1005Metric]  103.5 146.5 270 top
C1485#817  0.1uF  [C_0402_1005Metric]  123.5 166.5 270 top
C1485#818  0.1uF  [C_0402_1005Metric]  31.52 90.48 270 top
C1485#819  0.1uF  [C_0402_1005Metric]  71.5 34.5 270 top
C1485#820  0.1uF  [C_0402_1005Metric]  163.5 38.5 270 top
C1485#821  0.1uF  [C_0402_1005Metric]  167.5 202.5 270 top
C1485#822  0.1uF  [C_0402_1005Metric]  155.5 94.5 270 top
C1485#823  0.1uF  [C_0402_1005Metric]  167.5 174.5 270 top
C1485#824  0.1uF  [C_0402_1005Metric]  63.5 30.5 270 top
C1485#825  0.1uF  [C_0402_1005Metric]  123.5 42.5 270 top
C1485#826  0.1uF  [C_0402_1005Metric]  159.5 174.5 270 top
C1485#827  0.1uF  [C_0402_1005Metric]  155.5 54.5 270 top
C1485#828  0.1uF  [C_0402_1005Metric]  67.5 202.5 270 top
C1485#829  0.1uF  [C_0402_1005Metric]  19.52 74.48 270 top
C1485#830  0.1uF  [C_0402_1005Metric]  143.5 14.5 270 top
C1485#831  0.1uF  [C_0402_1005Metric]  139.5 126.5 270 top
C1485#832  0.1uF  [C_0402_1005Metric]  151.5 118.5 270 top
C1485#833  0.1uF  [C_0402_1005Metric]  67.5 86.5 270 top
C1485#834  0.1uF  [C_0402_1005Metric]  99.5 154.5 270 top
C1485#835  0.1uF  [C_0402_1005Metric]  143.5 78.5 270 top
C1485#836  0.1uF  [C_0402_1005Metric]  95.5 202.5 270 top
C1485#837  0.1uF  [C_0402_1005Metric]  87.5 122.5 270 top
C1485#838  0.1uF  [C_0402_1005Metric]  91.5 110.5 270 top
C1485#839  0.1uF  [C_0402_1005Metric]  171.5 150.48 270 top
C1485#840  0.1uF  [C_0402_1005Metric]  71.5 106.5 270 top
C1485#841  0.1uF  [C_0402_1005Metric]  131.5 102.5 270 top
C1485#842  0.1uF  [C_0402_1005Metric]  159.5 110.5 270 top
C1485#843  0.1uF  [C_0402_1005Metric]  67.5 174.48 270 top
C1485#844  0.1uF  [C_0402_1005Metric]  151.5 90.5 270 top
C1485#845  0.1uF  [C_0402_1005Metric]  147.5 170.5 270 top
C1485#846  0.1uF  [C_0402_1005Metric]  127.5 110.5 270 top
C1485#847  0.1uF  [C_0402_1005Metric]  59.52 82.48 270 top
C1485#848  0.1uF  [C_0402_1005Metric]  67.5 106.5 270 top
C1485#849  0.1uF  [C_0402_1005Metric]  103.52 62.48 270 top
C1485#850  0.1uF  [C_0402_1005Metric]  35.52 82.48 270 top
